# Altium PCB ControllerV0.PcbDoc
Units mil, origin at the board's own origin, x right, y up, seen from the top; angles counter-clockwise.
Board outline 3040 x 2210 mil, 2 copper layers (Top Layer, Bottom Layer); 71 components, 35 nets, 195 pads, 28 vias.
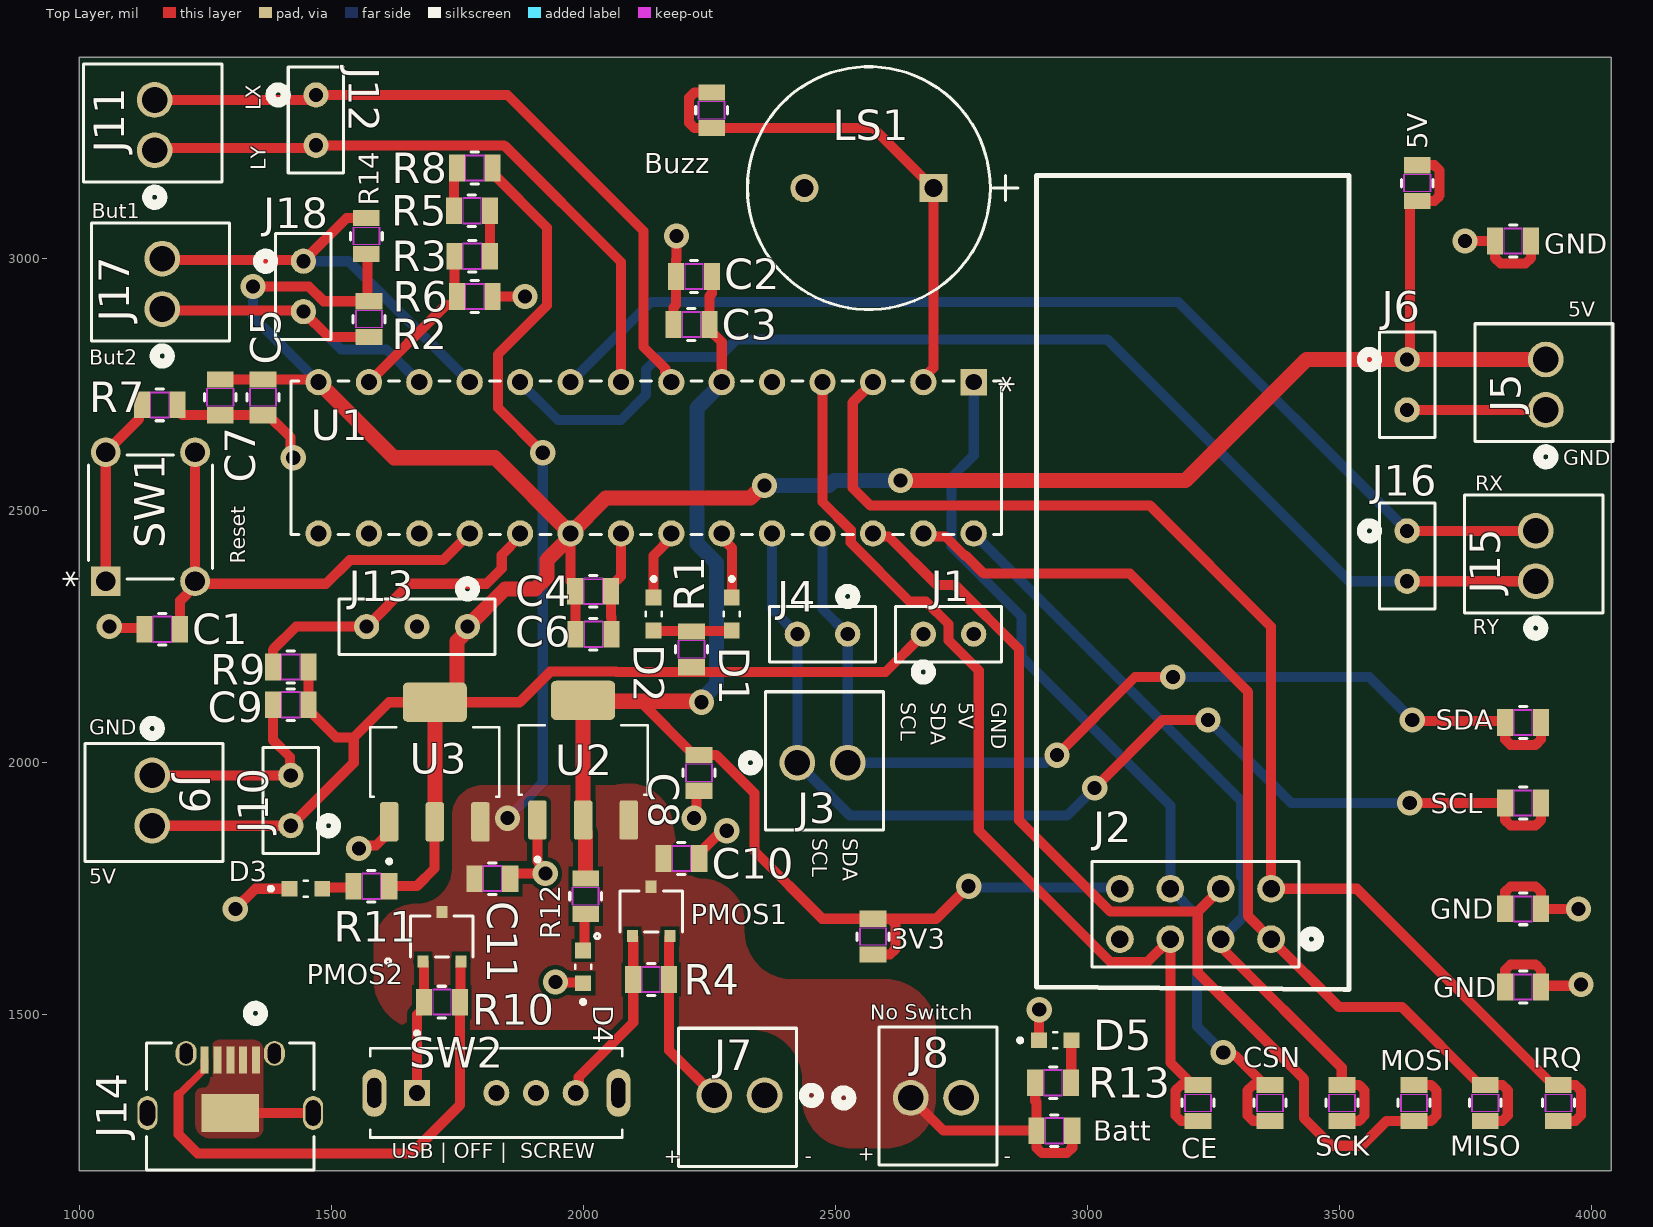
[diagram p0: Top Layer view]
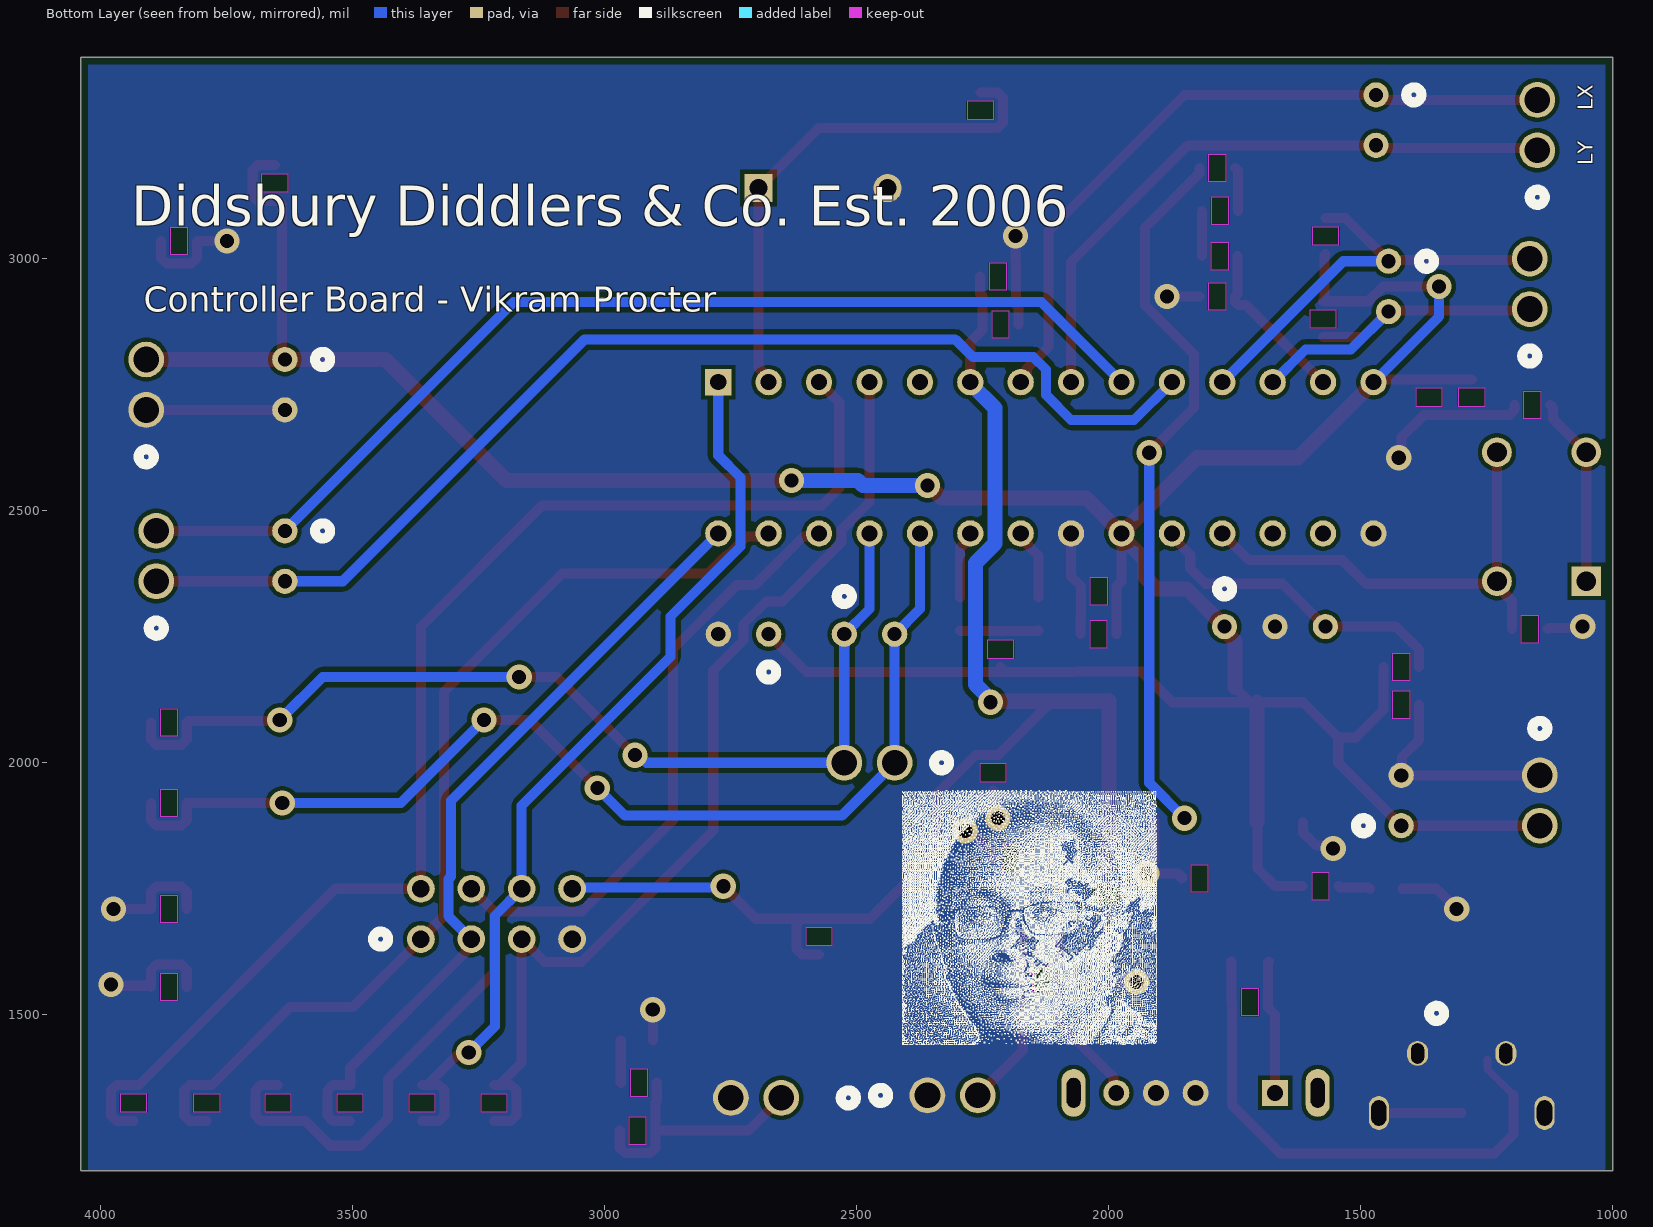
[diagram p1: Bottom Layer view, seen from below]
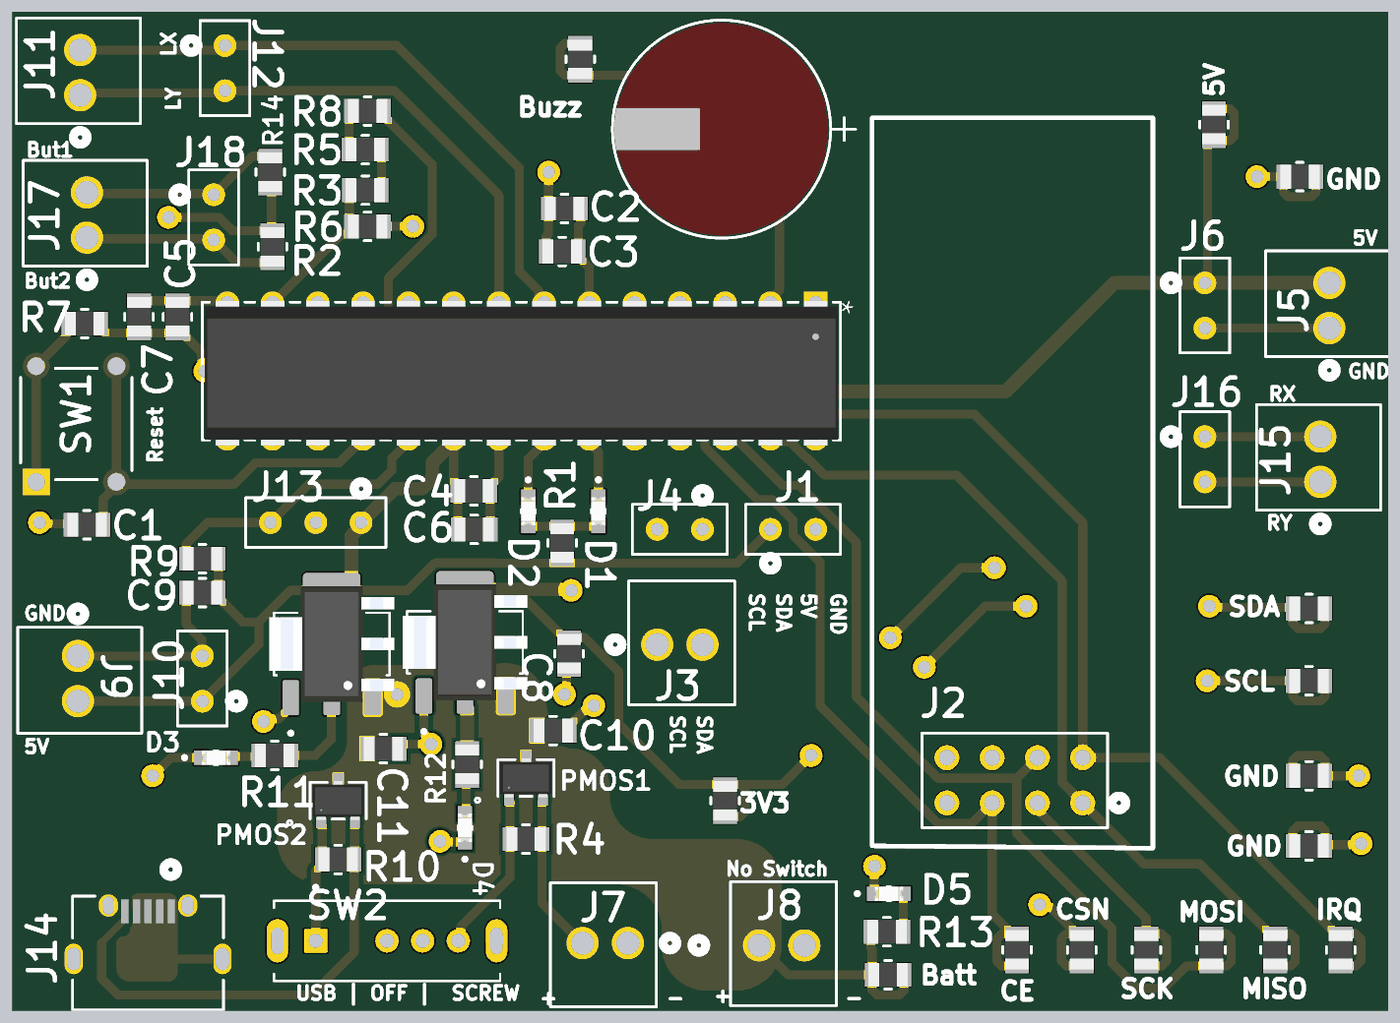
[diagram p2: 3D render of the assembled board from above, using the file's embedded part models]

## Layer stack, top to bottom
Top Solder: solder mask 0.4, Solder Resist, Dk 3.5
Top Layer: signal copper 1.4
Dielectric 1: dielectric 12.6, FR-4, Dk 4.8
Bottom Layer: signal copper 1.4
Bottom Solder: solder mask 0.4, Solder Resist, Dk 3.5

## Board outline
1000,1190 4040,1190 4040,3400 1000,3400

## Design rules (kind name [scope] priority, off if disabled: settings)
Clearance [All] p1: gap=8 ignorepadtopadclearanceinfootprint=TRUE except(1: Arc-Text Track-Text SMDPad-Via SMDPad-Fill SMDPad-Region SMDPad-Text SMDPad-Hole THPad-Text THPad-Hole Via-Text Fill-Fill Fill-Poly Fill-Region Fill-Text Fill-Hole Poly-Poly Poly-Region Poly-Text Poly-Hole Region-Region Region-Text Region-Hole Text-Text Text-Hole; 10: Arc-Poly Track-Poly)
PlaneConnect [All] p1: planeconnectstyle=Direct reliefexpansion=20 reliefentries=4 reliefconductorwidth=10 reliefairgap=10
PolygonConnect [All] p1: connectstyle=Direct reliefconductorwidth=10 reliefentries=4 polygonreliefangle="90 Angle" airgapwidth=10
RoutingVias [All] p1: holewidth=28 width=50 viastyle="Through Hole" minholewidth=28 minwidth=50 maxholewidth=28 maxwidth=50
SilkToSolderMaskClearance [IsPad] p1: minsilkscreentomaskgap=1 clearancetoexposedcopper=FALSE
SolderMaskExpansion [All] p1: expansion=4 istentingtop=FALSE
SupplyNets "Schematic Supply Nets_5" [InNet('Vbatt')] p1: voltage=0.000
SupplyNets "Schematic Supply Nets_4" [InNet('GND')] p2: voltage=0.000
SupplyNets "Schematic Supply Nets_3" [InNet('5V')] p3: voltage=0.000
SupplyNets "Schematic Supply Nets_2" [InNet('3V3')] p4: voltage=0.000
Width [All] p1: maxlimit=100 minlimit=10 preferedwidth=15
28 further rules are at their usual default settings.

## Components (designator, comment, footprint, x,y, rotation, side; value= is the part's Value field where it differs from the comment)
3V3 "TP" "RES 0805" 2575,1655 r90 top value=0R (schematic designator TP8)
5V "TP" "RES 0805" 3655,3150 r90 top value=0R (schematic designator TP5)
Batt "TP" "RES 0805" 2935,1270 r180 top value=0R (schematic designator TP2)
Buzz "TP" "RES 0805" 2255,3294.5 r270 top value=0R (schematic designator TP15)
C1 "1uF" "RES 0805" 1165,2265 r180 top
C2 "1uF" "RES 0805" 2220,2964.5 r0 top
C3 "0.1uF" "RES 0805" 2215,2869.5 r0 top value=100nF
C4 "1uF" "RES 0805" 2020,2340 r180 top
C5 "1uF" "RES 0805" 1365,2725 r270 top
C6 "0.1uF" "RES 0805" 2020.5,2255 r180 top value=100nF
C7 "0.1uF" "RES 0805" 1280,2725 r90 top value=100nF
C8 "4.7uF" "RES 0805" 2230,1980 r90 top
C9 "4.7uF" "RES 0805" 1420,2115 r0 top
C10 "1uF" "RES 0805" 2195,1810 r180 top
C11 "1uF" "RES 0805" 1820,1770 r180 top
CE "TP" "RES 0805" 3220,1325 r90 top value=0R (schematic designator TP7)
CSN "TP" "RES 0805" 3362.9,1325 r90 top value=0R (schematic designator TP14)
D1 "red" 0603LED 2295,2295 r270 top
D2 "green" 0603LED 2140,2295 r270 top
D3 "green" 0603LED 1450,1750 r0 top
D4 "green" 0603LED 2000,1595 r90 top
D5 "green" 0603LED 2936.63,1449.25 r0 top
GND "TP" "RES 0805" 3865,1555 r180 top value=0R (schematic designator TP9)
GND "TP" "RES 0805" 3845,3035 r0 top value=0R (schematic designator TP6)
GND "TP" "RES 0805" 3865,1710 r180 top value=0R (schematic designator TP3)
IRQ "TP" "RES 0805" 3935,1325 r270 top value=0R (schematic designator TP10)
J1 "head2.54" "Head 2.54mm 2pos" 2725,2255 r0 top
J2 "8pos215307-4" 215307-4 3365,1650 r180 top
J3 "2.54mm" "CON screw 2pos 2.54mm" 2425,2000 r0 top
J4 "head2.54" "Head 2.54mm 2pos" 2475,2255 r180 top
J5 "2.54mm" "CON screw 2pos 2.54mm" 3910,2700 r90 top
J6 "head2.54" "Head 2.54mm 2pos" 3635,2750 r270 top
J7 "2.54mm" "CON screw 2pos 2.54mm" 2360,1340 r180 top
J8 "2.54mm" "CON screw 2pos 2.54mm" 2650,1335 r0 top
J9 "2.54mm" "CON screw 2pos 2.54mm" 1145,1975 r270 top
J10 "head2.54" "Head 2.54mm 2pos" 1420,1925 r90 top
J11 "2.54mm" "CON screw 2pos 2.54mm" 1150,3215 r90 top
J12 "head2.54" "Head 2.54mm 2pos" 1470,3275 r270 top
J13 "2.54mm" "HEAD 2.54mm 3pos" 1670.5,2270 r180 top
J14 "micro ab" "USB micro ab 0475900001" 1300,1502.77 r0 top
J15 "2.54mm" "CON screw 2pos 2.54mm" 3890,2360 r90 top
J16 "head2.54" "Head 2.54mm 2pos" 3635,2410 r270 top
J17 "2.54mm" "CON screw 2pos 2.54mm" 1165,2900 r90 top
J18 "head2.54" "Head 2.54mm 2pos" 1445,2945 r270 top
LS1 "BuzzerCEM-120342" CEM-1203(42) 2695,3140 r180 top
MISO "TP" "RES 0805" 3790,1325 r90 top value=0R (schematic designator TP1)
MOSI "TP" "RES 0805" 3648.7,1325 r90 top value=0R (schematic designator TP12)
PMOS1 "6A" "SOT-23F MOS PMOS 30V 6A" 2135,1705 r0 top
PMOS2 "6A" "SOT-23F MOS PMOS 30V 6A" 1720,1655 r0 top
R1 "150" "RES 0805" 2215,2225 r90 top value=150R
R2 "10k" "RES 0805" 1575,2880 r90 top value=10kR
R3 "3.9k" "RES 0805" 1780,3005 r180 top value=3.92kR
R4 "10k" "RES 0805" 2135,1570 r180 top value=10kR
R5 "18.7k" "RES 0805" 1779.5,3095 r180 top value=18.7kR
R6 "41.2K" "RES 0805" 1785,2925 r180 top value=41.2kR
R7 "330" "RES 0805" 1160,2710 r0 top value=330R
R8 "41.2K" "RES 0805" 1785,3180 r0 top value=41.2kR
R9 "1.4k" "RES 0805" 1420,2190 r0 top value=1.4kR
R10 "10k" "RES 0805" 1720,1525 r180 top value=10kR
R11 "150" "RES 0805" 1580,1755 r180 top value=150R
R12 "150" "RES 0805" 2005,1735 r270 top value=150R
R13 "1.4k" "RES 0805" 2932.5,1365 r0 top value=1.4kR
R14 "10k" "RES 0805" 1570,3045 r270 top value=10kR
SCK "TP" "RES 0805" 3505.8,1325 r90 top value=0R (schematic designator TP4)
SCL "TP" "RES 0805" 3865,1920 r180 top value=0R (schematic designator TP13)
SDA "TP" "RES 0805" 3865,2080 r180 top value=0R (schematic designator TP11)
SW1 "Button1825910-6" Button1825910-6 1230,2615.91 r90 top
SW2 "300mA" "Switch On-On-On 300mA SLW-1277545-2A-RA-S-D" 1827.87,1345 r0 top
U1 "AVR128DB28-I/SP" AVR128DB28-ISP 2775,2755 r270 top
U2 "LDL1117S33R" SOT230P700X180-4N 2000,2005 r90 top
U3 "LDL1117S50R" SOT230P700X180-4N 1705.77,2001.33 r90 top

## Footprints (in the part's own frame and the unit in brackets; to place one, negate y for a bottom-side part, rotate by r counter-clockwise, add the part's x,y. Pads: shape width x height; smd on the part's side, far side on the other; paste and mask are expansions set on the pad)
0603LED [mm]
  rect 0.8x0.8 smd: A(0.825,0) C(-0.825,0)
  silkscreen extent -1.86,-0.4 0.11,0.4, body extent -0.8,-0.4 0.8,0.4, height 0.55
215307-4 [mil]
  round 55 / inner round 60 / far side round 55 hole 35 paste-99999 mask+2: 1(0,0) 2(100,0) 3(200,0) 4(300,0) 5(300,-100) 6(200,-100) 7(100,-100) 8(0,-100)
  silkscreen extent -95,-154 355,55
AVR128DB28-ISP [mil]
  rect 52x52 / inner round 60 / far side rect 52x52 hole 32 paste-99999 mask+0: 1(0,0)
  round 52 / inner round 60 / far side round 52 hole 32 paste-99999 mask+0: 2(0,-100) 3(0,-200) 4(0,-300) 5(0,-400) 6(0,-500) 7(0,-600) 8(0,-700) 9(0,-800) 10(0,-900) 11(0,-1000) 12(0,-1100) 13(0,-1200) 14(0,-1300) 15(300,-1300) 16(300,-1200) 17(300,-1100) 18(300,-1000) 19(300,-900) 20(300,-800) 21(300,-700) 22(300,-600) 23(300,-500) 24(300,-400) 25(300,-300) 26(300,-200) 27(300,-100) 28(300,0)
  silkscreen extent -3,-1355 303,55, body extent -5,-1350 314,50, height 205
Button1825910-6 [mil]
  rect 59x59 / inner round 60 / far side rect 59x59 hole 39 paste-99999 mask+0: 1(-255.91,177.17)
  round 59 / inner round 60 / far side round 59 hole 39 paste-99999 mask-29.5: 2(0,177.17) 3(-255.91,0) 4(0,0)
  silkscreen extent -251,-34 -5,212
CEM-1203(42) [mil]
  rect 56x56 / inner round 60 / far side rect 56x56 hole 36 paste-99999 mask+4: 1(0,0)
  round 56 / inner round 60 / far side round 56 hole 36 paste-99999 mask+4: 2(255.91,0)
  silkscreen extent -168,-241 369,241, body extent -108,-236 365,236, height 336
"CON screw 2pos 2.54mm" [mil]
  round 71 / inner round 60 / far side round 71 hole 51 paste-99999 mask+0: 1(0,0) 2(100,0)
  silkscreen extent -108,-133 171,141
"Head 2.54mm 2pos" [mil]
  round 50 / inner round 60 / far side round 50 hole 28 paste-99999 mask+0: 1(-50,0) 2(50,0)
  silkscreen extent -105,-90 105,55
"HEAD 2.54mm 3pos" [mil]
  round 50 / inner round 60 / far side round 50 hole 28 paste-99999 mask+0: 1(-100,0) 2(0,0) 3(100,0)
  silkscreen extent -155,-90 155,55
"RES 0805" [mil]
  rect 32x53 smd paste+0 mask+2: 1(-35.5,0) 2(35.5,0)
  Top Layer keep-out region: -17.5,-24.5 -17.5,24.5 17.5,24.5 17.5,-24.5
  Keep-Out Layer region: -17.5,-26.5 -17.5,26.5 17.5,26.5 17.5,-26.5
  silkscreen extent -7,-32 7,32, body extent -44,-26 44,26, height 26
SOT230P700X180-4N [mm]
  rrect25% 1.98x0.93 smd: 1(-3.015,2.3) 2(-3.015,0) 3(-3.015,-2.3)
  rrect25% 1.98x3.23 smd: 4(3.015,0)
  silkscreen extent -5.1,-3.25 1.75,3.25, body extent -3.25,-3.5 3.25,3.5, height 1.8
"SOT-23F MOS PMOS 30V 6A" [mil]
  rect 22x24 smd paste+0 mask+2: 1(-37.4,-49) 2(37.4,-49) 3(0,49)
  silkscreen extent -112,-54 62,40, body extent -57,-43 57,43, height 37
"Switch On-On-On 300mA SLW-1277545-2A-RA-S-D" [mm]
  rect 1.308x1.308 / inner round 1.308 / far side rect 1.308x1.308 hole 0.8: 1(-4,0)
  round 1.308 hole 0.8: 2(0,0) 3(2,0) 4(4,0)
  oval 1.208x2.416 hole 0.7 slot 1.5 at 90 deg: SH1(-6.15,0) SH2(6.15,0)
  silkscreen extent -6.35,-2.25 6.35,3.1
"USB micro ab 0475900001" [mil]
  rect 16x53 smd paste+0 mask+0: 1(51.18,-92.46) 2(25.59,-92.46) 3(0,-92.46) 4(-25.59,-92.46) 5(-51.18,-92.46)
  oval 42x49 / inner round 60 / far side oval 42x49 hole 26 slot 40 at 90 deg paste-99999 mask+0: 6(-87.6,-79.66) 7(87.6,-79.66)
  oval 40x67 / inner round 60 / far side oval 40x67 hole 30 slot 50 at 90 deg paste-99999 mask+0: 8(-164.37,-197.77) 9(164.37,-197.77)
  rect 114x75 smd paste-57 mask-57: 10(0,-197.77)
  silkscreen extent -166,-311 166,15

## Part data
3V3 5V Batt Buzz CE CSN GND GND GND IRQ MISO MOSI SCK SCL SDA: library part "TP clip 0805 RCTCTE", "Testing/Accessories", Case/Package=0805, Manufacturer="KOA Speer", Manufacturer Part Number=RCTCTE, Max Operating Temperature=125°C, Min Operating Temperature=-55°C, Package Height=1.45mm, Package Length=2mm, Package Shape=Rectangular, Package Width=1.25mm, Rated Temperature=70°C, Resistor Type="FIXED RESISTOR", Supplier Part Number=2019-RCTCTECT-ND, Category="Chip SMD Resistors", ComponentLink1Description=https://datasheet.ciiva.com:443/pdfs/VipMasterIC/IC/KOAS/KOASS03065/KOASS03065-1.pdf?src-supplier=IHS+Markit, ComponentLink1URL=https://datasheet.ciiva.com:443/pdfs/VipMasterIC/IC/KOAS/KOASS03065/KOASS03065-1.pdf?src-supplier=IHS+Markit, ComponentLink2Description=https://datasheet.ciiva.com/5562/rc-5562502.pdf?src-supplier=Mouser, ComponentLink2URL=https://datasheet.ciiva.com/5562/rc-5562502.pdf?src-supplier=Mouser, Construction=Chip, JESD-609 Code=e2, Mounting Technology="Surface Mount", Packaging="Tape and Reel", Pins=2, Pricing="1=0.14, 10=0.111, 25=0.1024, 50=0.096, 100=0.0904, 250=0.08328, 500=0.0783, 1000=0.07363 (USD)", Reach SVHC Compliant=Yes, Reference Standard=AEC-Q200, RoHS=Yes, RoHS Compliant=Yes, Stock=45761, Supplier=Digikey, Terminal Finish=Copper, Termination=Wraparound
C1 C2 C4 C5 C10 C11: library part "CAP CER 1uF 10% 50V 0805", "Ceramic Capacitor, Multilayer, Ceramic, 50V, 10% +Tol, 10% -Tol, X7R, 15% TC, 1uF, Surface Mount, 0805", Capacitor Type=Ceramic, Case/Package=0805, Manufacturer=Samsung, Manufacturer Part Number=CL21B105KBFNNNE, Max Operating Temperature=125°C, Min Operating Temperature=-55°C, Package Shape=Rectangular, Package Style=SMTMeter, Rated DC Voltage (URdc)=50V, Supplier Part Number=1276-1029-1-ND, Temperature Characteristics Code=X7R, Tolerance  (fill in as +-)=10%, Category="Ceramic Capacitors", ComponentLink1Description=https://datasheet.ciiva.com:443/pdfs/VipMasterIC/IC/SEMS/SEMS-S-A0008524728/SEMS-S-A0008523023-1.pdf?src-supplier=IHS+Markit, ComponentLink1URL=https://datasheet.ciiva.com:443/pdfs/VipMasterIC/IC/SEMS/SEMS-S-A0008524728/SEMS-S-A0008523023-1.pdf?src-supplier=IHS+Markit, ComponentLink2Description=https://datasheet.ciiva.com/25800/cl21b105kbfnnne-25800291.pdf?src-supplier=Digikey, ComponentLink2URL=https://datasheet.ciiva.com/25800/cl21b105kbfnnne-25800291.pdf?src-supplier=Digikey, ComponentLink3Description=https://datasheet.ciiva.com/16449/cl21b105kbfnnne-16449003.pdf?src-supplier=Future+Electronics, ComponentLink3URL=https://datasheet.ciiva.com/16449/cl21b105kbfnnne-16449003.pdf?src-supplier=Future+Electronics, Dielectric Material=Ceramic, Height=1.35mm, JESD-609 Code=e3, Length=2mm, Mounting Technology="Surface Mount", Multilayer=Yes, Packaging="Tape and Reel", Pins=2, Pricing="1=0.1, 10=0.051, 100=0.0321, 1000=0.02181 (USD)", Reach SVHC Compliant=Yes, RoHS=Yes, RoHS Compliant=Yes, Stock=572828, Supplier=Digikey, Terminal Finish=Nickel, Termination=Wraparound, Tolerance (fill in as +-)=10%, Width=1.25mm
C3 C6 C7: library part "CAP CER 0.1uF 10% 50V 0805", "Ceramic Capacitor, Multilayer, Ceramic, 50V, 10% +Tol, 10% -Tol, X7R, 15% TC, 0.1uF, Surface Mount, 0805", Capacitor Type=Ceramic, Case/Package=0805, Manufacturer=Yageo, Manufacturer Part Number=CC0805KRX7R9BB104, Max Operating Temperature=125°C, Min Operating Temperature=-55°C, Package Shape=Rectangular, Package Style=SMTMeter, Rated DC Voltage (URdc)=50V, Supplier Part Number=311-1140-1-ND, Temperature Characteristics Code=X7R, Tolerance  (fill in as +-)=10%, Category="Ceramic Capacitors", ComponentLink1Description=https://datasheet.ciiva.com:443/pdfs/VipMasterIC/IC/YAGO/YAGO-S-A0003557223/YAGO-S-A0003557223-1.pdf?src-supplier=IHS+Markit, ComponentLink1URL=https://datasheet.ciiva.com:443/pdfs/VipMasterIC/IC/YAGO/YAGO-S-A0003557223/YAGO-S-A0003557223-1.pdf?src-supplier=IHS+Markit, ComponentLink2Description=https://datasheet.ciiva.com/11786/0900766b80d84f1d-11786009.pdf?src-supplier=Rs, ComponentLink2URL=https://datasheet.ciiva.com/11786/0900766b80d84f1d-11786009.pdf?src-supplier=Rs, ComponentLink3Description=https://datasheet.ciiva.com/155/mlccorderingcode-155929.pdf?src-supplier=Digikey, ComponentLink3URL=https://datasheet.ciiva.com/155/mlccorderingcode-155929.pdf?src-supplier=Digikey, ComponentLink4Description=https://datasheet.ciiva.com/155/mlccorderingcode-155930.pdf?src-supplier=Digikey, ComponentLink4URL=https://datasheet.ciiva.com/155/mlccorderingcode-155930.pdf?src-supplier=Digikey, ComponentLink5Description=https://datasheet.ciiva.com/155/mlccorderingcode-155931.pdf?src-supplier=Digikey, ComponentLink5URL=https://datasheet.ciiva.com/155/mlccorderingcode-155931.pdf?src-supplier=Digikey, ComponentLink6Description=https://datasheet.ciiva.com/46393/1734573-46393307.pdf?src-supplier=Element14, ComponentLink6URL=https://datasheet.ciiva.com/46393/1734573-46393307.pdf?src-supplier=Element14, ComponentLink7Description=https://datasheet.ciiva.com/28450/1489800-28450805.pdf?src-supplier=Element14, ComponentLink7URL=https://datasheet.ciiva.com/28450/1489800-28450805.pdf?src-supplier=Element14, ComponentLink8Description=https://datasheet.ciiva.com/11464/upy-gphc-x7r-6-3v-to-50v-8-11464757.pdf?src-supplier=Avnet, ComponentLink8URL=https://datasheet.ciiva.com/11464/upy-gphc-x7r-6-3v-to-50v-8-11464757.pdf?src-supplier=Avnet, ComponentLink9Description=https://datasheet.ciiva.com/29242/445210-da-01-en-kerko-chip-0805-x7r-0-1uf-10proz-50vg-29242074.pdf?src-supplier=Conrad, ComponentLink9URL=https://datasheet.ciiva.com/29242/445210-da-01-en-kerko-chip-0805-x7r-0-1uf-10proz-50vg-29242074.pdf?src-supplier=Conrad, Dielectric Material=Ceramic, Height=0.85mm, JESD-609 Code=e3, Length=2mm, Mounting Technology="Surface Mount", Multilayer=Yes, Packaging="Tape and Reel", Pins=2, Pricing="1=0.08, 10=0.021, 100=0.0152, 1000=0.0144, 4000=0.0112, 8000=0.0104, 12000=0.01, 20000=0.00985 (USD)", Reach SVHC Compliant=Yes, RoHS=Yes, RoHS Compliant=Yes, Stock=3691132, Supplier=Digikey, Terminal Finish=Nickel, Termination=Wraparound, Tolerance (fill in as +-)=10%, Width=1.25mm
C8 C9: library part "CAP CER 4.7uF 10% 25V 0805", "Ceramic Capacitor, Multilayer, Ceramic, 25V, 10% +Tol, 10% -Tol, X5R, 15% TC, 4.7uF, Surface Mount, 0805", Capacitor Type=Ceramic, Case/Package=0805, Manufacturer=Samsung, Manufacturer Part Number=CL21A475KAQNNNE, Max Operating Temperature=85°C, Min Operating Temperature=-55°C, Package Shape=Rectangular, Package Style=SMTMeter, Rated DC Voltage (URdc)=25V, Supplier Part Number=1276-1244-1-ND, Temperature Characteristics Code=X5R, Tolerance  (fill in as +-)=10%, Category="Ceramic Capacitors", ComponentLink1Description=https://www.digikey.ca/en/products/detail/samsung-electro-mechanics/CL21A475KAQNNNE/3886902, ComponentLink2Description=https://datasheet.ciiva.com:443/pdfs/VipMasterIC/IC/SEMS/SEMS-S-A0008528919/SEMS-S-A0008528938-1.pdf?src-supplier=IHS+Markit, ComponentLink2URL=https://datasheet.ciiva.com:443/pdfs/VipMasterIC/IC/SEMS/SEMS-S-A0008528919/SEMS-S-A0008528938-1.pdf?src-supplier=IHS+Markit, ComponentLink3Description=https://datasheet.ciiva.com/25798/cl21a475kaqnnne-25798882.pdf?src-supplier=Digikey, ComponentLink3URL=https://datasheet.ciiva.com/25798/cl21a475kaqnnne-25798882.pdf?src-supplier=Digikey, Dielectric Material=Ceramic, Height=1.4mm, JESD-609 Code=e3, Length=2mm, Mounting Technology="Surface Mount", Multilayer=Yes, Packaging="Tape and Reel", Pins=2, Pricing="1=0.1, 10=0.048, 100=0.03, 1000=0.02035 (USD)", Reach SVHC Compliant=Yes, RoHS=Yes, RoHS Compliant=Yes, Stock=2691488, Supplier=Digikey, Terminal Finish=Nickel, Termination=Wraparound, Tolerance (fill in as +-)=10%, Width=1.25mm
D1: library part "LED redSML-D12U1WT86", "Single Color LED, Red, Diffused Milky White, 1.2mm", Color=Red, Forward Current=20mA, Manufacturer=Rohm, Manufacturer Part Number=SML-D12U1WT86, Max Operating Temperature=85°C, Min Operating Temperature=-40°C, Reverse Voltage-Max=5V, Supplier Part Number=SML-D12U1WT86CT-ND, Category=LEDs, Channels=1, Color@wavelength=Red, ComponentLink1Description=https://datasheet.ciiva.com:443/pdfs/VipMasterIC/IC/ROHM/ROHM-S-A0002134492/ROHM-S-A0002134492-1.pdf?src-supplier=IHS+Markit, ComponentLink1URL=https://datasheet.ciiva.com:443/pdfs/VipMasterIC/IC/ROHM/ROHM-S-A0002134492/ROHM-S-A0002134492-1.pdf?src-supplier=IHS+Markit, ComponentLink2Description=https://www.rohm.com/datasheet/SML-D12U1W?src-supplier=Digikey, ComponentLink2URL=https://www.rohm.com/datasheet/SML-D12U1W?src-supplier=Digikey, ComponentLink3Description=https://datasheet.octopart.com/SML-D12U1WT86-Rohm-datasheet-68298509.pdf?src-supplier=Future+Electronics, ComponentLink3URL=https://datasheet.octopart.com/SML-D12U1WT86-Rohm-datasheet-68298509.pdf?src-supplier=Future+Electronics, ComponentLink4Description=https://datasheet.octopart.com/SML-D12U1WT86-ROHM-datasheet-142144710.pdf?src-supplier=TME, ComponentLink4URL=https://datasheet.octopart.com/SML-D12U1WT86-ROHM-datasheet-142144710.pdf?src-supplier=TME, ComponentLink5Description=https://datasheet.ciiva.com:443/pdfs/VipMasterIC/IC/ROHM/ROHMS10041/ROHMS10041-1.pdf?src-supplier=IHS+Markit, ComponentLink5URL=https://datasheet.ciiva.com:443/pdfs/VipMasterIC/IC/ROHM/ROHMS10041/ROHMS10041-1.pdf?src-supplier=IHS+Markit, ComponentLink6Description=https://datasheet.ciiva.com/11774/0900766b80df3ada-11774020.pdf?src-supplier=Rs, ComponentLink6URL=https://datasheet.ciiva.com/11774/0900766b80df3ada-11774020.pdf?src-supplier=Rs, ComponentLink7Description=https://datasheet.ciiva.com/9324/sml-d1-9324826.pdf?src-supplier=Avnet, ComponentLink7URL=https://datasheet.ciiva.com/9324/sml-d1-9324826.pdf?src-supplier=Avnet, ComponentLink8Description=https://datasheet.ciiva.com/2110/sml-d1-2110375.pdf?src-supplier=Digikey, ComponentLink8URL=https://datasheet.ciiva.com/2110/sml-d1-2110375.pdf?src-supplier=Digikey, ComponentLink9Description=https://datasheet.ciiva.com/2110/sml-d1-2110376.pdf?src-supplier=Digikey, ComponentLink9URL=https://datasheet.ciiva.com/2110/sml-d1-2110376.pdf?src-supplier=Digikey, ComponentLink10Description=https://datasheet.ciiva.com/2110/sml-d1-2110377.pdf?src-supplier=Digikey, ComponentLink10URL=https://datasheet.ciiva.com/2110/sml-d1-2110377.pdf?src-supplier=Digikey, JESD-609 Code=e4, Lens Style="MILKY WHITE", Luminous Intensity-Nom=63mcd, Mounting Technology="Surface Mount", Optoelectronic Device Type="SINGLE COLOR LED", Overall Height=0.55mm, Packaging="Tape and Reel", Pins=2, Pricing="1=0.12, 10=0.081, 100=0.0556, 500=0.0438, 1000=0.03986 (USD)", Reach SVHC Compliant=Yes, RoHS=Yes, RoHS Compliant=Yes, Shape=Rectangular, Size=1.2mm, Stock=145541, Supplier=Digikey, Terminal Finish=Gold, Terminal Pitch=1.65mm
D2 D3 D4 D5: library part "LED greenSML-D12P8WT86", "Single Color LED, Pure Green, Diffused Milky White, 1.2mm", Color=Green, Forward Current=20mA, Manufacturer=Rohm, Manufacturer Part Number=SML-D12P8WT86, Max Operating Temperature=85°C, Min Operating Temperature=-40°C, Reverse Voltage-Max=5V, Supplier Part Number=846-SML-D12P8WT86CT-ND, Category=LEDs, Channels=1, Color@wavelength=Green, ComponentLink1Description=https://datasheet.ciiva.com:443/pdfs/VipMasterIC/IC/ROHM/ROHMS10041/ROHMS10041-1.pdf?src-supplier=IHS+Markit, ComponentLink1URL=https://datasheet.ciiva.com:443/pdfs/VipMasterIC/IC/ROHM/ROHMS10041/ROHMS10041-1.pdf?src-supplier=IHS+Markit, ComponentLink2Description=https://datasheet.ciiva.com/2110/sml-d1-2110417.pdf?src-supplier=Digikey, ComponentLink2URL=https://datasheet.ciiva.com/2110/sml-d1-2110417.pdf?src-supplier=Digikey, ComponentLink3Description=https://datasheet.ciiva.com/16488/rohm20sml-d12p8wt86-16488100.pdf?src-supplier=Future+Electronics, ComponentLink3URL=https://datasheet.ciiva.com/16488/rohm20sml-d12p8wt86-16488100.pdf?src-supplier=Future+Electronics, ComponentLink4Description=https://datasheet.ciiva.com/2110/sml-d1-2110418.pdf?src-supplier=Digikey, ComponentLink4URL=https://datasheet.ciiva.com/2110/sml-d1-2110418.pdf?src-supplier=Digikey, ComponentLink5Description=https://datasheet.ciiva.com/2110/sml-d1-2110419.pdf?src-supplier=Digikey, ComponentLink5URL=https://datasheet.ciiva.com/2110/sml-d1-2110419.pdf?src-supplier=Digikey, ComponentLink6Description=https://datasheet.ciiva.com/3161/sml-d1-3161420.pdf?src-supplier=Avnet, ComponentLink6URL=https://datasheet.ciiva.com/3161/sml-d1-3161420.pdf?src-supplier=Avnet, JESD-609 Code=e4, Lens Style=Diffused, Luminous Intensity-Nom=6.3mcd, Mounting Technology="Surface Mount", Optoelectronic Device Type="SINGLE COLOR LED", Overall Height=0.55mm, Packaging="Tape and Reel", Pins=2, Pricing="1=0.14, 10=0.094, 100=0.0648, 500=0.05124, 1000=0.04672 (USD)", Reach SVHC Compliant=Yes, RoHS=Yes, RoHS Compliant=Yes, Shape=Rectangular, Size=1.2mm, Stock=24850, Supplier=Digikey, Terminal Finish=Gold, Terminal Pitch=1.65mm
J1 J4 J6 J10 J12 J16 J18: library part "HEAD 2.54mm 2pos", "Board Connector, 2 Contact(s), 1 Row(s), Male, Straight, 0.1 inch Pitch, Solder Terminal, Black Insulator", Insulation Color=Black, Manufacturer=Samtec, Manufacturer Part Number=TS-102-G-AA, Max Operating Temperature=125°C, Min Operating Temperature=-55°C, Supplier Part Number=612-TS-102-G-AA-ND, Body Breadth=0.1inch, Body Length=0.2inch, Category=Connectors, ComponentLink1Description=https://datasheet.ciiva.com:443/pdfs/VipMasterIC/IC/SAMI/SAMI-S-A0002822123/SAMI-S-A0002822123-1.pdf?src-supplier=IHS+Markit, ComponentLink1URL=https://datasheet.ciiva.com:443/pdfs/VipMasterIC/IC/SAMI/SAMI-S-A0002822123/SAMI-S-A0002822123-1.pdf?src-supplier=IHS+Markit, ComponentLink2Description=http://www.farnell.com/datasheets/1843794.pdf?src-supplier=Farnell, ComponentLink2URL=http://www.farnell.com/datasheets/1843794.pdf?src-supplier=Farnell, ComponentLink3Description=ftp://ftp.samtec.com/webfiles/PDF/ts.pdf?src-supplier=Avnet, ComponentLink3URL=ftp://ftp.samtec.com/webfiles/PDF/ts.pdf?src-supplier=Avnet, ComponentLink4Description=https://datasheet.octopart.com/TS-102-G-AA-Samtec-datasheet-13698575.pdf?src-supplier=Newark, ComponentLink4URL=https://datasheet.octopart.com/TS-102-G-AA-Samtec-datasheet-13698575.pdf?src-supplier=Newark, ComponentLink5Description=https://datasheet.octopart.com/TS-102-G-AA-Samtec-datasheet-97318998.pdf?src-supplier=Samtec, ComponentLink5URL=https://datasheet.octopart.com/TS-102-G-AA-Samtec-datasheet-97318998.pdf?src-supplier=Samtec, ComponentLink6Description=https://datasheet.octopart.com/TS-102-G-AA-Samtec-datasheet-118235246.pdf?src-supplier=Sager+Electronics, ComponentLink6URL=https://datasheet.octopart.com/TS-102-G-AA-Samtec-datasheet-118235246.pdf?src-supplier=Sager+Electronics, ComponentLink7Description=https://datasheet.octopart.com/TS-102-G-AA-Samtec-datasheet-150856305.pdf?src-supplier=Electro+Sonic, ComponentLink7URL=https://datasheet.octopart.com/TS-102-G-AA-Samtec-datasheet-150856305.pdf?src-supplier=Electro+Sonic, Connector Type="BOARD CONNECTOR", Contact Finish - Mating="GOLD (20) OVER NICKEL (50)", Contact Finish - Termination="Gold (Au) - with Nickel (Ni) barrier", Contact Gender=Male, Contact Material=Brass, Contact Pattern=RECTANGULAR, Contact Style="RND PIN-SKT", DIN Conformance=No, Filter Feature=No, IEC Conformance=No, Insulation Material=Glass, JESD-609 Code=e4, Mating Contact Pitch=0.1inch, Mating Information="MULTIPLE MATING PARTS AVAILABLE", MIL Conformance=No, Mixed Contacts=No, Mounting Style=STRAIGHT, Mounting Technology=Board, Number Of Connectors=1, Number of Contacts=2, Number Of PCB Rows=1, Number of Rows Loaded=1, Option="General Purpose", PCB Contact Pattern=RECTANGULAR, Plating Thickness=20uin, Pricing="1=0.7, 50=0.54, 100=0.44, 500=0.37, 1000=0.36 (USD)", Reach SVHC Compliant=No, Reference Standard=UL, Reliability=COMMERCIAL, RoHS=Yes, RoHS Compliant=Yes, Stock=9, Supplier=Digikey, Terminal Length=0.156inch, Terminal Pitch=2.54mm, Termination=Solder
J2: "Board Connector, 4 Contact(s), 2 Row(s), Female, Straight, 0.1 inch Pitch, Solder Terminal, Black Insulator, Receptacle", Dielectric Withstanding Voltage (AC)=750V, Flammability Rating="UL94 V-0", Insulation Color=Green, Insulation Resistance=5GR, Manufacturer="TE Connectivity", Manufacturer Part Number=215307-4, Max Operating Temperature=125°C, Min Operating Temperature=-65°C, Supplier Part Number=98K6517, Body Breadth=0.199inch, Body Depth=0.276inch, Body/Shell Style=RECEPTACLE, Category="Headers and Wire Housings", ComponentLink1Description=https://www.te.com:443/usa-en/product-215307-4.html?src-supplier=IHS+Markit, ComponentLink1URL=https://www.te.com:443/usa-en/product-215307-4.html?src-supplier=IHS+Markit, ComponentLink2Description=https://datasheet.ciiva.com/30070/2153074-30070134.pdf?src-supplier=Onlinecomponents.com, ComponentLink2URL=https://datasheet.ciiva.com/30070/2153074-30070134.pdf?src-supplier=Onlinecomponents.com, ComponentLink3Description=https://datasheet.ciiva.com/11748/0900766b804f4b20-11748752.pdf?src-supplier=Rs, ComponentLink3URL=https://datasheet.ciiva.com/11748/0900766b804f4b20-11748752.pdf?src-supplier=Rs, ComponentLink4Description=https://datasheet.ciiva.com/29369/001094904-da-01-en-buchsenleiste-2-reihig-0-0215307-4-29369976.pdf?src-supplier=Conrad, ComponentLink4URL=https://datasheet.ciiva.com/29369/001094904-da-01-en-buchsenleiste-2-reihig-0-0215307-4-29369976.pdf?src-supplier=Conrad, ComponentLink5Description=https://datasheet.ciiva.com/6857/eng-cd-215307-d-basefilename-6857485.pdf?src-supplier=Digikey, ComponentLink5URL=https://datasheet.ciiva.com/6857/eng-cd-215307-d-basefilename-6857485.pdf?src-supplier=Digikey, Connector Type="BOARD CONNECTOR", Contact Finish - Mating="NOT SPECIFIED", Contact Finish - Termination="Tin (Sn)", Contact Gender=Female, Contact Material=Bronze, Contact Pattern=RECTANGULAR, Contact Style="BELLOWED TYPE", DIN Conformance=No, Filter Feature=No, IEC Conformance=No, Insulation Material=Glass, JESD-609 Code=e3, Mating Contact Pitch=0.1inch, Mating Contact Row Spacing=0.1inch, MIL Conformance=No, Mixed Contacts=No, Mounting Style=STRAIGHT, Mounting Technology=Board, Number Of Connectors=1, Number of Contacts=8, Number Of PCB Rows=2, Number of Rows Loaded=2, Option="General Purpose", PCB Contact Pattern=RECTANGULAR, PCB Contact Row Spacing=2.54mm, Plating Thickness=31uin, Pricing="1=0.863, 10=0.776, 25=0.761, 50=0.746, 100=0.731 (USD)", Reach SVHC Compliant=Yes, Reference Standard=UL, Reliability=COMMERCIAL, RoHS=Yes, RoHS Compliant=Yes, Stock=250, Supplier=Avnet, Terminal Length=0.118inch, Terminal Pitch=2.54mm, Termination=Solder
J3 J5 J7 J8 J9 J11 J15 J17: library part "CON screw 2pos 2.54mm", "Barrier Strip Terminal Block, 6A, 1 Row(s), 1 Deck(s)", Current Rating=6A, Manufacturer="On-Shore Technology", Manufacturer Part Number=OSTVN02A150, Supplier Part Number=ED10561-ND, Voltage Rating=125V, Additional Feature="STANDARD: UL 94V-0, THERMOPLASTIC", Category="Terminal Blocks", ComponentLink1Description=https://datasheet.ciiva.com:443/pdfs/VipMasterIC/IC/ONST/ONSTS00240/ONSTS00114-1.pdf?src-supplier=IHS+Markit, ComponentLink1URL=https://datasheet.ciiva.com:443/pdfs/VipMasterIC/IC/ONST/ONSTS00240/ONSTS00114-1.pdf?src-supplier=IHS+Markit, ComponentLink2Description=https://datasheet.ciiva.com/823/ostvnxxa150-823935.pdf?src-supplier=Digikey, ComponentLink2URL=https://datasheet.ciiva.com/823/ostvnxxa150-823935.pdf?src-supplier=Digikey, Fastening Method=SCREW, Mounting Technology=Board, Number of Decks=1, Number of Rows=1, Number of Ways=2, Pricing="1=0.87, 10=0.64, 25=0.5576, 50=0.5028, 100=0.4549, 250=0.40308, 500=0.37178, 1000=0.34649, 5000=0.30612 (USD)", Reach SVHC Compliant=Yes, RoHS=Yes, RoHS Compliant=Yes, Safety Approval=UL,CUL, Stock=5554, Supplier=Digikey, Terminal and Terminal Block Type="BARRIER STRIP TERMINAL BLOCK", Wire/Cable Gauge=20AWG
J13: library part "HEAD 2.54mm 3pos", "Board Connector, 38 Contact(s), 1 Row(s), Male, Straight, 0.1 inch Pitch, Solder Terminal, Black Insulator", Insulation Color=Black, Manufacturer=Samtec, Manufacturer Part Number=TS-103-T-A, Manufacturer Series=TS, Max Operating Temperature=105°C, Min Operating Temperature=-55°C, Supplier Part Number=SAM1112-03-ND, Body Breadth=0.1inch, Body Length=0.3inch, Category=Connectors, ComponentLink1Description=https://datasheet.ciiva.com:443/pdfs/VipMasterIC/IC/SAMI/SAMI-S-A0001504555/SAMI-S-A0001504555-1.pdf?src-supplier=IHS+Markit, ComponentLink1URL=https://datasheet.ciiva.com:443/pdfs/VipMasterIC/IC/SAMI/SAMI-S-A0001504555/SAMI-S-A0001504555-1.pdf?src-supplier=IHS+Markit, ComponentLink2Description=https://datasheet.ciiva.com/410/tx-1xx-x-x-mkt1-410199.pdf?src-supplier=Digikey, ComponentLink2URL=https://datasheet.ciiva.com/410/tx-1xx-x-x-mkt1-410199.pdf?src-supplier=Digikey, Connector Type="BOARD CONNECTOR", Contact Finish - Mating="TIN OVER COPPER (100)", Contact Finish - Termination="TIN OVER COPPER (100)", Contact Gender=Male, Contact Material=Brass, Contact Pattern=RECTANGULAR, Contact Style="RND PIN-SKT", DIN Conformance=No, Filter Feature=No, IEC Conformance=No, Insulation Material=Glass, JESD-609 Code=e3, Mating Contact Pitch=0.1inch, Mating Information="MULTIPLE MATING PARTS AVAILABLE", MIL Conformance=No, Mixed Contacts=No, Mounting Style=STRAIGHT, Mounting Technology=Board, Number Of Connectors=1, Number of Contacts=38, Number Of PCB Rows=1, Number of Rows Loaded=1, Option="General Purpose", PCB Contact Pattern=RECTANGULAR, Plating Thickness=200uin, Pricing="1=0.81, 10=0.689, 100=0.5855, 500=0.5226, 1000=0.49765, 5000=0.47207 (USD)", Reach SVHC Compliant=No, Reference Standard=UL, Reliability=COMMERCIAL, RoHS=Yes, RoHS Compliant=Yes, Stock=8991, Supplier=Digikey, Terminal Length=0.156inch, Terminal Pitch=2.54mm, Termination=Solder